# Allegro board RK3588S_Template_LP4XD556P164SD10H2_33X33_2133MHz_H1R6_V10_20220315YWQ.brd (continued)
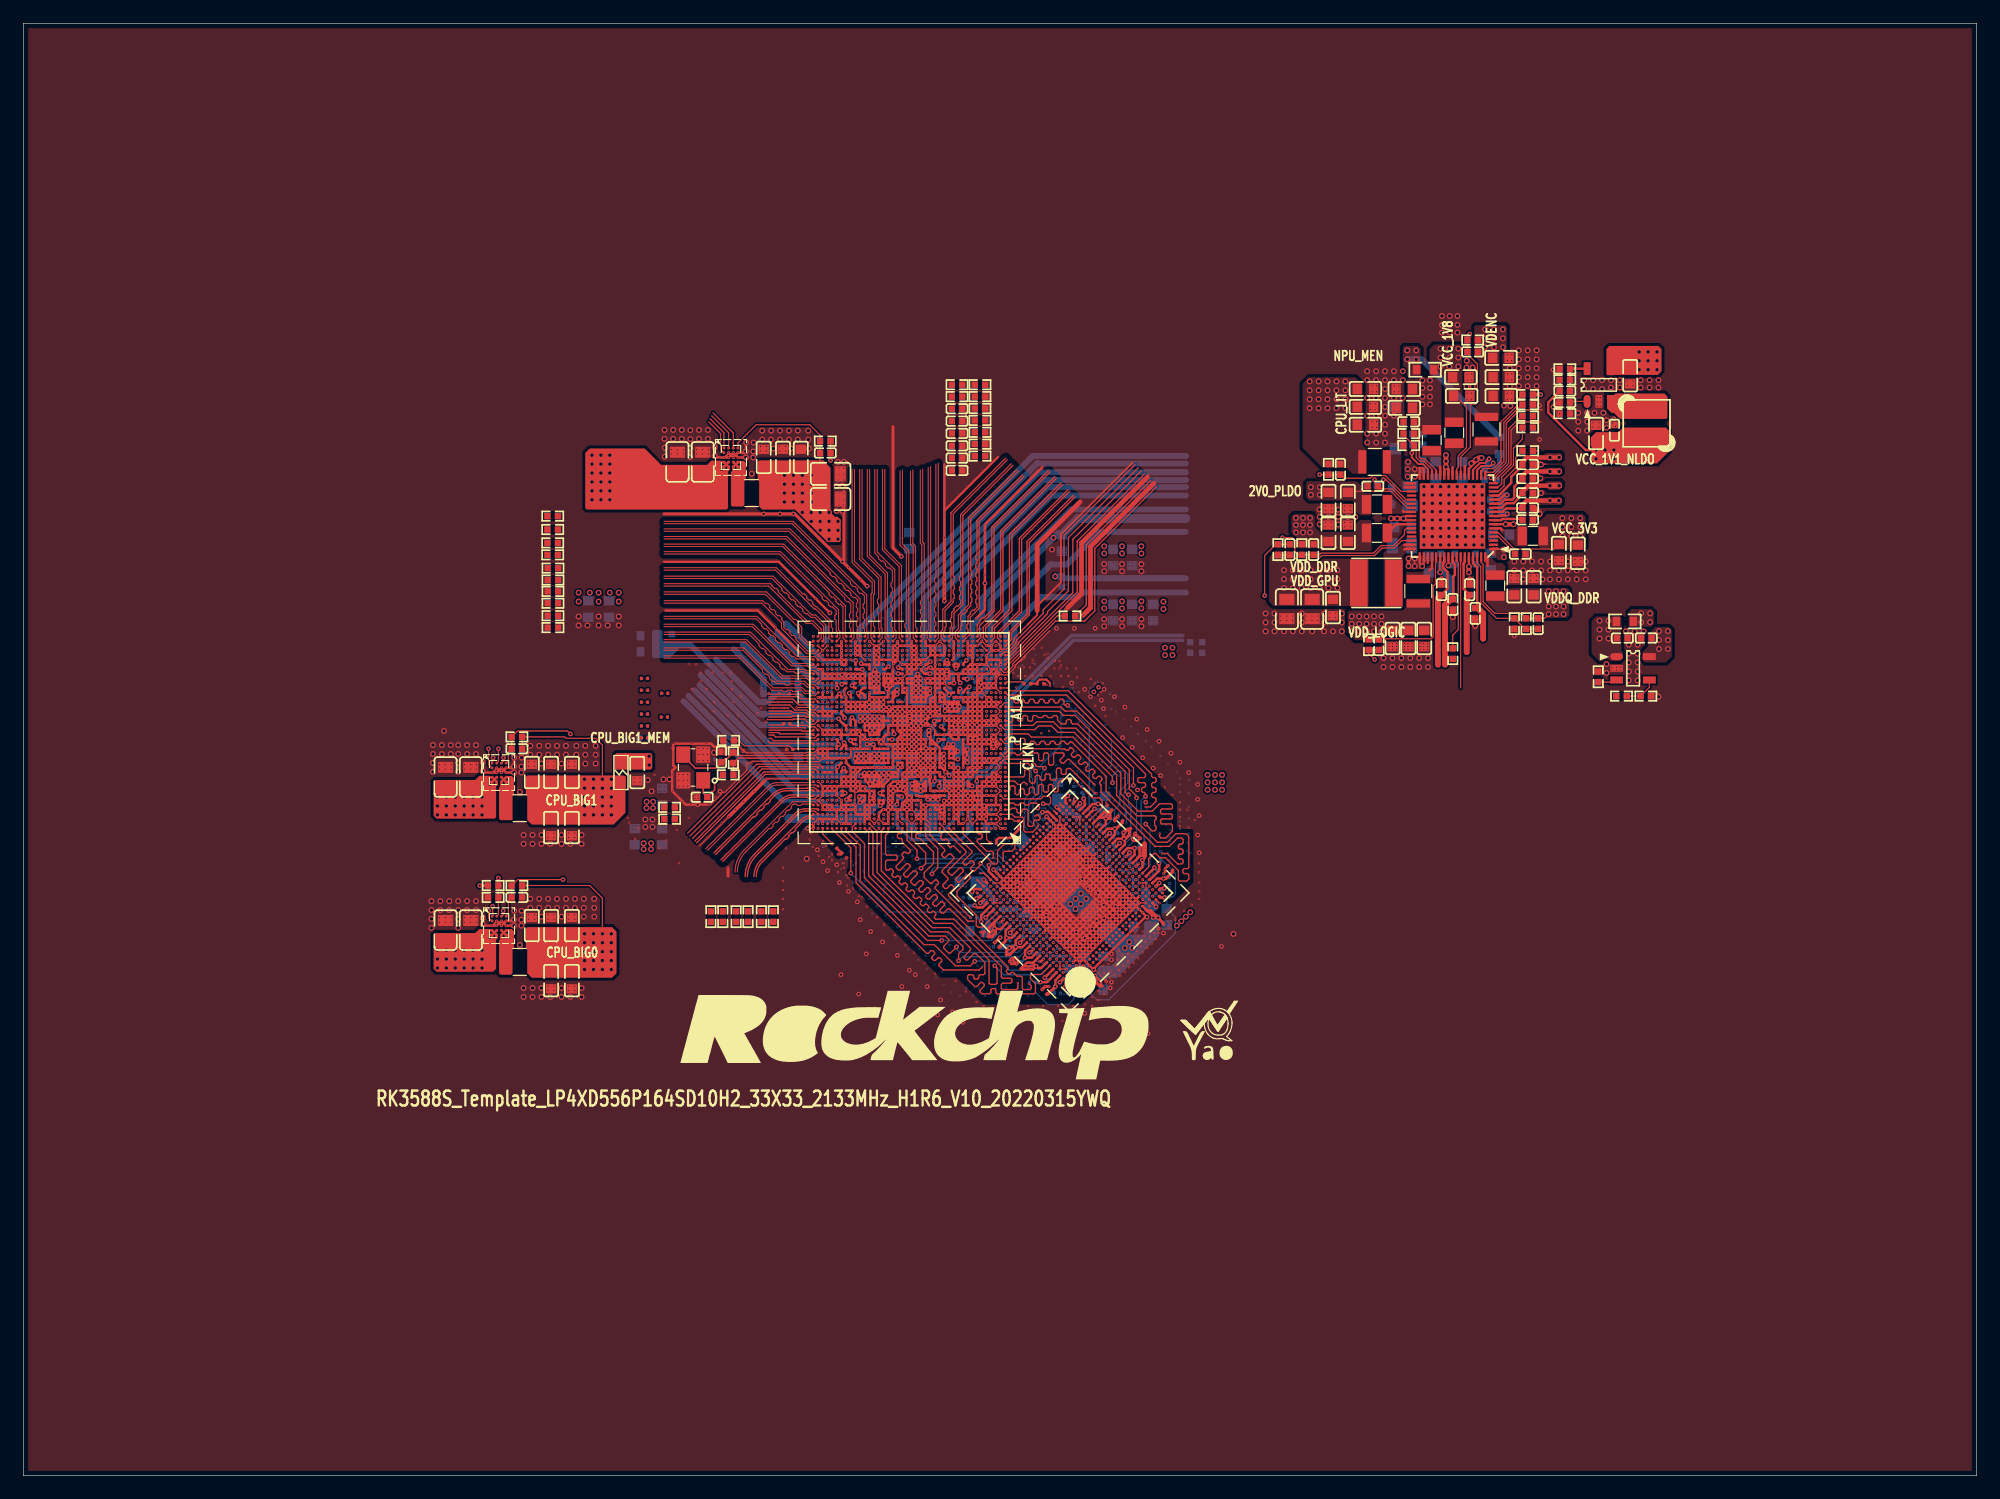
[diagram p0: board, top side]
## Routing (per net, layer and track width the routed paths; a pad name or vN(x,y) marks a point on that pad's centre or on a via; arc(x,y) is an arc through that point) (continued)
  L3-S1 w0.079: v8(83.06,56.26) 83.18,56.39 v8(83.69,56.39) 84.07,56.39 84.31,56.15 84.31,55.9 v2(84.45,55.75) ; 81.65,55.14 v7(81.09,55.7)
  L3-S1 w0.102: v2(70.36,66.31) 70.36,66.34 70.08,66.62 70.08,67.02 v1(70.14,67.07) 70.44,67.38 70.44,67.95 v1(70.29,68.1) ; v1(91.11,53.74) v1(90.82,53.46) v1(90.54,53.18) 90.4,53.18 v2(90.17,52.95) ; 85.6,69.93 85.85,69.68 v2(85.85,69.6) 85.97,69.47 v1(86.23,69.47) v1(86.23,69.72) 86.03,69.93 85.6,69.93 ; 85.6,69.93 85.04,69.93 v8(84.84,69.72) v8(84.2,69.72) 84.05,69.72 83.63,69.3 v1(83.49,69.3) ; v2(89.13,60.27) 89.25,60.27 v8(89.41,60.43) ; v1(73.09,69.7) 73.03,69.76 v4(73.03,70.15) ; v8(78.87,52.58) 78.95,52.66 v2(79.19,52.66) ; 71.28,67.4 70.92,67.05 70.92,66.44 70.79,66.31 v2(70.79,65.99) ; v2(81.81,61.39) 81.94,61.52 81.94,61.79 v8(82.04,61.89) 82.02,61.89 ; v8(71.12,72.44) 71.12,72.24 71,72.12 v2(70.95,72.12) 70.95,72.17 70.89,72.23 v8(70.89,72.44) ; v2(80.29,53.63) 80.49,53.44 v8(80.49,53.4) ; v4(90.47,50.98) 90.55,50.9 v1(90.55,50.55) 90.39,50.55 90.24,50.4 v1(90.04,50.4) 89.78,50.14 v2(89.73,50.14) 89.73,49.85 v1(89.53,49.66) 89.53,49.53 88.77,48.77 v2(88.77,48.7) 88.71,48.64 v1(88.39,48.64) v4(88.08,48.64) ; v1(81.89,63.7) v1(81.89,63.3) v1(82.29,62.9) 82.41,62.9 82.78,62.53 ; v8(93.85,55.75) 93.85,56.01 v2(93.98,56.13) ; 82.02,61.89 81.87,61.89 81.64,62.12 v8(81.64,62.27) ; 82.02,61.89 v8(81.64,62.27) ; v2(71.63,53.88) v8(71.63,53.47) ; 83.42,63.59 83.42,63.63 v1(83.49,63.7) 83.63,63.84 83.68,63.84 ; v8(77.72,54.65) 77.6,54.52 v2(77.6,54.37) 77.6,54.23 v8(77.72,54.1) 77.72,54.01 77.74,53.98 77.74,53.46 v2(77.7,53.42) 77.7,53.39 77.87,53.22 v8(77.98,53.22) ; 68.3,55.65 68.29,55.66 68.29,56.1 ; 82.57,69.82 82.58,69.81 82.59,69.81 82.69,69.71 ; 82.57,69.82 v1(82.29,70.1) v1(82.69,70.5) 82.8,70.61 85.22,70.61 ; 82.57,69.82 82.7,69.82 82.69,69.81 82.69,69.71 ; v2(92.38,50.55) 92.82,51 92.82,51.17 v2(92.82,51.17) ; v1(74.69,69.7) 74.69,70.11 v2(74.52,70.28) ; v8(73.28,58.93) 73.15,59.05 73.15,59.44 v8(72.9,59.69) ; v1(81.89,56.1) v1(82.3,55.7) ; 68.29,56.1 v1(68.69,56.1) 68.71,56.08 ; 68.29,56.1 v1(67.89,56.1) 67.86,56.13 67.45,56.13 67.06,55.74 67.06,55.65 65.91,54.51 65.91,54.23 ; 73.41,64.14 73.35,64.08 71.87,64.08 v1(71.49,63.7) ; v8(90.81,60.2) 90.73,60.2 v2(90.56,60.03) 90.4,59.87 v8(90.27,59.87) ; v8(61.42,74.73) v2(61.04,74.73) 60.91,74.85 60.11,74.85 ; v1(75.89,57.7) 76.33,58.13 76.33,58.64 76.33,58.64 76.33,59.54 76.4,59.61 v4(76.4,60.05) ; v1(70.29,69.7) 69.98,69.7 v2(69.93,69.65) 69.89,69.61 v1(69.89,69.3) ; v1(81.89,66.9) v1(82.29,67.3) v1(82.29,67.7) ; v8(79.73,72.9) v8(79.73,72.52) ; v8(79.73,72.9) v8(79.73,73.28) v8(79.73,73.66) 79.68,73.71 ; v8(79.73,72.9) 79.68,72.95 ; v8(79.73,72.52) 79.73,72.24 79.68,72.19 79.68,72.57 ; v8(79.73,72.52) 79.68,72.57 ; 57.06,55.55 v2(57.61,55.55) 58.62,55.55 ; v2(79.18,64.05) 79.29,64.16 v4(79.6,64.16) ; v1(77.89,70.1) 77.89,70.19 v8(77.72,70.36) 77.55,70.18 v2(77.55,70.05) ; v1(77.89,70.1) 77.59,70.1 v2(77.55,70.05) ; v1(77.89,70.1) v1(77.89,69.3) ; v2(77.05,66.56) 77.07,66.58 v8(77.07,67.06) 77.06,67.06 v8(77.06,67.31) 77.06,67.58 v2(77.17,67.69) ; 93.98,60.33 v8(93.98,60.33) 94.08,60.33 95.19,59.22 95.19,58.6 v4(95.18,58.59) 95.59,58.59 95.79,58.39 96.02,58.39 96.22,58.18 v8(96.22,56.56) ; v1(91.67,53.18) v1(91.39,52.9) ; v1(63.58,66.09) 63.47,66.09 60.95,68.6 v1(60.43,68.6) ; 83.21,67.97 83.21,67.72 v2(83.18,67.69) ; 83.21,67.97 83.09,68.09 ; 83.21,67.97 83.21,68.19 83.29,68.27 ; 83.21,67.97 83.48,67.69 v2(83.18,67.69) ; 79.68,72.95 79.68,72.57 ; 79.68,72.95 79.68,73.71 ; v1(87.71,46.96) 87.98,46.96 v1(88.01,46.99) 88.14,47.12 v1(88.26,47.12) ; v2(82.76,58.95) 82.65,58.95 v1(82.29,59.3) ; v2(82.76,58.95) 83.04,58.95 v1(83.09,58.9) ; v2(82.76,58.95) 82.4,59.3 v1(82.29,59.3) ; v1(86.01,69.06) v1(85.47,69.06) v1(85.03,69.06) 84.93,69.06 84.81,68.93 84.42,68.93 v8(84.33,68.83) 84.07,68.83 83.66,68.42 83.44,68.42 83.29,68.27 ; 82.69,69.71 v1(82.69,69.7) ; 83.29,68.27 83.26,68.27 v1(83.09,68.1) 83.09,68.09 ; 76.47,47.97 76.29,47.97 v8(76.16,48.1) v8(75.83,48.43) 75.83,48.9 75.92,48.99 v8(75.92,49.19) v8(75.4,49.71) 75.4,50.17 74.98,50.6 v2(74.98,50.8) ; 76.47,47.97 76.47,47.82 76.07,47.42 v8(76.07,47.24) 76.07,46.99 v8(76.58,46.48) v8(76.96,46.1) v8(77.22,45.85) ; 76.47,47.97 v2(76.81,47.97) ; v2(85.95,58.5) 85.95,58.78 v8(85.98,58.8) ; 57.36,64.6 59.89,64.6 ; v2(81.28,52.4) 81.22,52.46 v8(80.98,52.46) 80.78,52.46 v8(80.77,52.45) 80.48,52.45 v2(80.43,52.41) ; 72.65,65.39 72.6,65.39 v2(72.58,65.41) 72.57,65.41 72.52,65.35 72.46,65.5 ; v2(74.04,62.23) 73.88,62.07 72.62,62.07 72.57,62.02 ; v2(87.73,58.32) 87.55,58.14 v8(87.48,58.14) ; v8(81.64,62.27) 81.9,62.53 82.78,62.53 ; v1(81.89,57.7) 82.1,57.49 v4(82.1,57.22) 82.1,57.09 v1(82.69,56.5) 82.93,56.26 v8(83.06,56.26) 83.06,55.73 v1(83.09,55.7) ; 85.14,63.84 v8(85.09,63.79) 85.04,63.84 ; 85.14,63.84 85.04,63.84 ; 85.14,63.84 86.49,63.84 v8(86.53,63.88) v8(87.38,63.88) v8(88.39,63.88) v8(89.15,63.88) v8(90.04,63.88) v10(90.68,63.88) 91.39,63.88 v8(91.43,63.84) 91.43,63.8 92.77,62.47 v8(92.84,62.47) 92.84,62.47 93.1,62.47 v8(93.1,62.47) 93.1,62.47 93.68,63.05 93.91,63.05 v4(93.91,63.05) ; 74.65,57.84 74.9,57.58 75.01,57.58 ; 84.2,55.47 83.59,55.47 83.49,55.37 v1(83.49,55.3) ; 84.2,55.47 84.55,55.47 84.87,55.15 84.87,55.05 v2(84.96,54.96) ; 84.2,55.47 v6(84.2,55.5) 84.32,55.62 84.32,55.63 v2(84.45,55.75) ; v2(77.55,70.05) 77.53,70.05 77.18,69.7 v7(76.69,69.7) ; 82.78,62.53 v4(82.86,62.53) 82.86,62.43 ; v8(84.07,61.8) v8(83.69,61.8) ; v8(83.31,59.18) 83.09,58.96 v1(83.09,58.9) ; v2(97.84,51.69) 97.84,51.52 v8(97.95,51.41) ; v1(71.89,69.7) v1(71.49,70.1) ; v1(99.82,48.77) 99.69,48.77 v1(99.19,48.26) v1(98.42,47.5) 97.92,46.99 v1(97.92,46.74) ; 81.66,59.69 82.05,59.3 v1(82.29,59.3) ; v1(81.09,61.7) 80.41,61.7 80.24,61.87 v8(80.24,62.12) ; v8(93.71,56.5) 93.98,56.24 v2(93.98,56.13) ; v1(59.67,55.7) 58.9,54.94 57.22,54.94 v8(57.15,54.86) ; v1(83.09,58.9) 83.11,58.88 83.14,58.88 ; v1(83.09,58.9) 83.11,58.9 ; v1(92.15,49.53) 91.88,49.81 v4(91.82,49.81) ; v2(78.98,50.42) 79.04,50.42 v8(79.25,50.21) ; v1(72.69,60.5) 72.68,60.48 ; 79.2,60.42 79,60.42 78.95,60.47 78.89,60.47 78.87,60.49 78.57,60.49 78.55,60.47 78.33,60.47 78.28,60.52 v8(78.11,60.34) ; v8(79.65,48.64) 79.76,48.75 v8(79.76,48.89) ; v8(75.82,72.77) 75.95,72.64 v2(75.95,72.44) ; v8(93.98,58.17) 93.98,57.91 v2(94.11,57.78) v8(94.11,57.4) v8(94.36,57.15) 94.61,56.9 v2(94.61,56.86) ; v8(89.62,61.5) 89.52,61.4 v2(89.52,61.21) 89.52,61.08 v8(89.38,60.93) ; v8(84.96,59.69) 85.13,59.86 v2(85.13,59.95) ; v1(77.49,64.1) 77.97,64.1 78.49,64.62 v8(78.49,64.74) ; 79.68,73.71 79.68,74.05 79.64,74.09 ; v1(82.29,67.7) v1(81.89,68.1) 81.87,68.08 v4(81.87,67.36) ; v1(82.29,67.7) 82.3,67.69 v1(82.69,67.69) 83.04,67.69 ; v8(78.05,72.82) 78.05,73.1 v8(78.1,73.15) ; v8(79.92,54.2) 79.79,54.2 v2(79.65,54.34) ; v1(91.82,66.67) 91.75,66.61 91.22,66.61 v4(91.17,66.55) ; 85.04,63.84 84.51,63.84 ; v8(78.74,74.42) 78.69,74.47 v4(78.69,74.73) ; v4(74.66,70.9) 74.66,70.41 v2(74.52,70.28) ; 72.45,60.88 v2(72.45,60.76) ; v8(86.33,63.27) v8(85.85,63.27) v8(85.45,63.27) 85.38,63.19 85.09,63.19 85.01,63.12 v8(84.76,63.12) 84.53,63.12 v2(84.43,63.02) 84.4,62.99 v8(84.07,62.99) ; 83.75,63.84 84.4,63.84 ; 83.75,63.84 v8(83.69,63.79) ; 83.75,63.84 83.68,63.84 ; 84.4,63.84 v8(84.45,63.79) 84.51,63.84 ; 84.4,63.84 84.51,63.84 ; 65.91,54.23 66.55,54.86 ; 65.91,54.23 65.79,54.23 v1(65.15,53.59) ; 65.91,54.23 65.91,53.98 ; 83.66,63.82 83.39,63.55 83.51,63.68 83.68,63.84 ; 83.04,67.69 83.04,68.04 83.09,68.09 ; 83.04,67.69 v2(83.18,67.69) ; v2(93.98,56.13) v8(94.23,55.88) ; v1(80.69,56.1) v1(80.29,55.7) 80.26,55.67 v2(80.26,55.37) 80.26,55.07 v8(80.23,55.04) ; v8(69.8,55.37) v2(69.8,54.16) 69.88,54.23 v8(69.88,54.48) ; 59.22,73.96 v2(61.04,73.96) v8(61.42,73.96) 62.63,73.96 67.31,69.28 67.31,69.22 v2(67.51,69.01) ; 57.36,67.64 60.27,67.64 ; v8(77.98,45.8) 77.98,45.85 78.23,46.1 v8(78.28,46.1) 78.28,46.1 78.38,46.2 78.57,46.2 v2(78.58,46.21) v2(78.96,45.83) ; v4(87.42,56.3) v1(87.71,56.01) ; 57.36,65.3 59.64,65.3 ; v2(74.52,70.28) 74.29,70.05 v1(74.29,69.7) ; v2(60.08,53.01) 60.08,51.34 ; v7(70.69,68.5) 70.76,68.56 70.83,68.56 v2(70.89,68.5) ; v8(86.87,57.78) 86.65,57.57 v2(86.65,57.54) ; v2(91.13,56.64) 90.93,56.44 v8(90.93,56.39) 91.06,56.26 v8(91.06,56.01) ; 55.91,62.99 59.47,62.99 59.55,62.92 59.64,62.92 59.64,62.73 59.96,62.41 60.65,62.41 61.23,61.82 v1(61.47,61.82) ; v8(67.18,59.31) 67.34,59.31 v2(67.51,59.49) ; v1(55.43,59.87) 55.3,59.74 ; v2(72.21,71.6) 72.21,71.86 v8(72.26,71.91) ; v1(85.45,48.09) v1(85.73,48.37) ; v8(92.71,64.39) 92.75,64.35 92.75,64.22 92.76,64.21 v2(92.76,64.07) ; 57.36,66.94 60.02,66.94 ; v8(90.55,61.39) 90.32,61.39 v2(90.25,61.47) ; v8(80.49,65.09) 80.23,65.35 80.18,65.35 80.16,65.32 ; v1(86.01,47.52) v1(86.3,47.8) ; v8(85.69,66.29) 85.47,66.29 v2(85.39,66.22) ; 83.23,63.3 83.23,63.3 v1(83.09,63.3) ; 71.27,60.8 v2(71.24,60.77) ; 57.66,54.48 v8(57.91,54.48) ; v8(82.84,66.26) 82.52,66.26 v1(82.29,66.5) v1(82.69,66.5) 82.69,66.41 v8(82.84,66.26)
  L3-S1 w0.127: v1(82.29,69.3) 82.56,69.3 82.69,69.43 82.69,69.7 v1(82.69,69.7) ; v1(83.08,64.92) 83.02,64.86 v2(82.78,64.86) ; v2(95.35,50.63) v1(95.91,50.63) ; v2(88.56,43.84) v1(88.56,43.28)
  L3-S1 w0.152: v8(62.25,63.57) 60.5,65.33 v8(60.4,65.33) 60.38,65.3 59.64,65.3 ; 82.86,55.7 v1(83.09,55.7) v1(83.49,55.3) ; 82.86,55.7 82.82,55.74 82.79,55.74 ; 82.86,55.7 82.8,55.7 v2(82.79,55.69) ; v8(87.94,41.37) 87.94,41.24 v2(87.77,41.07) ; v8(94.61,61.21) v8(94.23,60.83) 93.98,60.58 v8(93.98,60.33) ; v2(81.39,51.35) 81.34,51.4 81.27,51.4 v8(81.1,51.56) ; v8(84.45,54.48) v8(84.71,54.74) 84.89,54.91 84.91,54.91 v2(84.96,54.96) ; v4(96.52,60.45) 96.52,60.35 v8(96.19,60.02) 95.75,59.59 v8(95.75,59.57) ; v8(83.31,41.53) 83.33,41.54 v8(83.33,41.96) 83.32,41.97 v8(83.32,42.62) ; v8(83.97,42.16) v8(83.97,42.67) 83.97,43.03 v8(83.95,43.05) ; 80.69,71.1 v1(80.69,71.3) 80.56,71.43 ; 80.69,71.1 80.56,71.23 80.56,71.43 ; 80.69,71.1 v2(80.85,70.94) ; v1(89.69,43.84) 89.9,43.84 v2(90.02,43.96) ; v8(95.91,51.69) 95.76,51.54 v2(95.55,51.54) ; v2(97.59,53.47) 97.59,53.25 v8(97.66,53.18) ; 80.56,71.43 v8(80.56,71.63) v8(80.56,72.26) v8(80.56,72.95) ; v1(56.85,69.31) 57.06,69.31 ; v2(82.55,48.06) 82.62,48.13 v8(82.93,48.13) ; 57.36,68.6 v1(57.86,68.6) v1(58.93,68.6) v1(59.77,68.6) v1(60.43,68.6) ; v1(85.73,48.37) v1(86.01,48.65) 86.01,48.79 v2(86.24,49.02) ; v2(90.26,55.72) v1(90.26,56.29) ; 60.02,66.94 v8(60.4,66.94) 60.92,66.94 v1(61.28,66.59) v1(62.74,65.13) v1(63.45,64.41) ; 59.89,64.6 v8(60.35,64.6) 60.47,64.6 v8(61.67,63.4) ; v8(65.23,65.33) v1(64.97,65.58) v1(64.47,66.09) v1(63.7,66.85) 61.25,69.31 v8(61.16,69.31) 59.95,69.31 v8(59.94,69.31) v1(58.55,69.31) v2(58.17,69.31) v1(57.48,69.31) 57.36,69.31 ; v8(96.01,58.8) 96.01,58.91 v8(96.46,59.37) ; 83.74,72.19 83.17,71.61 83.17,71.55 v2(83.39,71.55) ; v1(87.71,46.96) 87.57,46.96 v2(87.44,46.83) ; v8(89.92,42.06) 89.92,42.37 v2(89.94,42.4) 90.17,42.62 v8(90.17,42.65) ; v8(93.72,62.17) 93.72,62.16 v8(93.32,61.76) ; v1(63.58,66.09) v8(64.47,65.2) ; v1(64.11,61.04) 59.51,56.44 v8(59.51,56.38) 58.68,55.55 v2(57.61,55.55) ; v8(97.92,54.74) 97.86,54.74 v2(97.59,54.48) ; v1(67.49,71.7) v8(67.31,71.88) v8(66.75,72.44) 66.62,72.44 v8(65.99,73.08) v8(65.1,73.96) v8(64.59,74.47) v8(63.2,75.87) 61.74,77.33 ; v2(92.82,51.17) 92.8,51.19 v1(92.8,51.48) ; 57.78,53.57 v1(57.78,53.85) 57.86,53.77 57.99,53.77 ; v8(93.87,61.39) 93.87,61.4 v8(94.28,61.81) 94.32,61.81 v4(94.74,62.23) ; 57.1,56.31 v2(58.37,56.31) 58.62,56.31 v1(63.35,61.04) ; v2(95.23,49.17) 95.35,49.29 v1(95.35,49.5) ; v1(87.71,46.39) v2(88.01,46.39) ; v1(82.9,48.94) v2(83.47,48.94) ; 60.27,67.64 v8(60.78,67.64) 60.93,67.64 v8(63.89,64.69) ; v2(92.41,51.8) 92.24,51.62 v1(92.24,51.48) ; v8(96.54,49) v2(96.8,49.25) ; v8(94.82,60.5) 94.82,60.51 v8(95.14,60.82) 95.63,61.31 v4(95.63,61.34) ; v2(79.67,72.19) 79.68,72.19 ; v2(95.63,53.8) v8(95.63,53.47) ; v1(58.42,54.48) v8(57.91,54.48) ; v8(95.1,59.85) v8(95.48,60.23) ; v8(87.7,43.78) 87.69,43.78 v2(87.69,43.48)
  L3-S1 w0.203: v2(72.21,71.6) 72.21,71.38 v1(72.29,71.3) ; 79.43,62.02 79.41,62.02 v8(79.28,61.89) 79.04,61.89 78.84,62.1 ; v1(68.29,65.7) 68.03,65.7 v2(67.89,65.84) ; v1(89.53,45.72) 89.3,45.48 v2(89.3,45.46) ; v8(69.44,71.12) 69.44,71.27 v2(69.29,71.42) ; v4(68.91,73.71) v8(68.58,74.04) 63.32,79.3 ; v8(83.41,47.5) v2(83.19,47.27) 83.2,47.29 v1(83.49,47.29) ; 63.82,79.8 v8(64.65,78.98) v8(66.24,77.39) v8(67.51,76.12) v8(69.55,74.08) v8(69.8,73.83) ; v2(85.85,69.6) 85.97,69.72 v1(86.23,69.72) ; v8(81.92,71.71) v2(81.92,72.01) 81.92,72.24 v8(81.99,72.31) ; v2(67.08,65.84) 67.21,65.71 v8(67.39,65.71) v8(67.59,65.71) 67.77,65.71 v2(67.89,65.84) ; v2(67.08,65.84) 67.16,65.91 v8(67.39,65.91) v8(67.59,65.91) 67.82,65.91 v2(67.89,65.84) ; v2(67.08,65.84) v2(67.89,65.84) ; v1(78.29,71.3) 78.29,71.54 v8(78.31,71.55) v8(78.31,71.93) 78.31,72.23 78.09,72.45 v2(78.09,72.51) 78.05,72.54 v8(78.05,72.82) ; v8(80.72,73.96) 80.56,73.8 v8(80.56,72.95) ; v1(93.47,49.66) v2(93.73,49.92) ; v8(81.99,72.31) v8(82.5,72.82) ; v8(81.99,72.31) 83.39,73.71 v8(83.39,73.93) ; v8(80.01,62.36) 80,62.35 79.89,62.35 ; v8(66.62,62.79) v2(67.01,62.79) v2(67.51,62.79) 67.79,62.79 v8(67.82,62.81) ; v2(88.37,56.53) 88.37,56.53 88.56,56.35 v1(88.56,56.29) ; v2(66.88,57.96) v2(67.39,57.96) v2(67.89,57.96) 68.15,57.96 v1(68.29,58.1) ; v1(91.39,52.9) v1(91.11,52.61) v4(90.81,52.32) ; v1(67.49,71.7) 67.64,71.55 v2(67.64,71.42) ; v8(67.26,67.61) 67.31,67.56 v2(67.56,67.56) 67.78,67.56 v1(67.89,67.68) ; v8(70.05,59.89) 69.88,60.07 v2(69.72,60.07) 69.47,60.07 v8(69.43,60.11) ; v2(74.69,71.68) 74.69,71.99 v8(74.63,72.06) ; v1(67.89,59.3) 67.71,59.49 v2(67.51,59.49) 67.07,59.49 v1(67.06,59.48) ; 64.35,80.33 v8(65.75,78.93) v8(67.33,77.34) v8(68.41,76.26) v8(69.87,74.8) 69.87,74.77 70.05,74.59 v8(70.05,74.47) ; 79.64,89.01 79.64,74.09 ; v1(77.09,70.9) v1(77.09,71.3) v2(77.09,71.63) 77.09,71.83 v8(76.99,71.93) ; v2(82.66,50.82) 82.66,50.82 82.84,50.63 v1(82.9,50.63) ; v8(69.93,75.87) v8(69.67,76.12) v8(67.64,78.16) v8(65.99,79.81) 64.91,80.89 ; v2(67.51,69.01) 67.65,68.88 v1(67.89,68.88) v1(68.29,68.88) ; v8(75.89,71.53) v1(75.89,71.3) ; v8(73.48,72.44) v2(73.48,72.09) v2(73.48,71.68) 73.48,71.31 v1(73.49,71.3) ; v1(86.3,47.8) v1(86.58,48.09) v4(86.87,48.38) ; v8(70.05,76.76) v8(70.31,76.5)
  L3-S1 w0.254: v1(74.68,56.09) 74.68,56.37 v2(74.7,56.39) ; v8(80.72,73.96) 80.85,74.09 v8(80.85,79.17) v8(80.85,82.22) v2(80.85,88.44) 80.85,89.84 ; v8(69.42,72.31) 69.31,72.31 62.82,78.8 ; v4(97.16,59.81) v4(96.52,60.45) v4(95.63,61.34) v4(94.74,62.23) v4(93.91,63.05) ; 62.43,78.4 69.29,71.54 v2(69.29,71.42) ; v2(82.76,60.06) 82.8,60.1 v1(83.09,60.1) ; v2(68.66,54.1) 68.5,54.26 68.5,55.11 v7(69.09,55.7) ; v8(69.8,55.37) 69.85,55.42
  L3-S1 w0.305: v1(73.89,63.3) 73.89,63.71 v2(73.94,63.75)
  L3-S1 w0.406: v8(85.55,80.06) v8(85.55,82.6) v8(85.55,84.38) v8(85.55,88.7) ; 83.74,72.19 84.28,72.19 87.45,75.36 v8(87.45,82.47) 87.45,89.08 82.43,94.1 ; v8(83.39,75.74) v8(83.39,73.93)
  L5-POWER2 w0.064: v4(73.51,65.66) 73.38,65.78 v2(73.08,65.78) 73.05,65.81 v2(72.64,65.81) ; v4(72.26,65.66) 72.52,65.41 v2(72.58,65.41) 72.6,65.38 v2(73.15,65.38) 73.58,65.38 v2(73.71,65.25)
  L5-POWER2 w0.076: v4(81.33,62.99) 81.17,62.83 80.98,62.83 80.91,62.91 v4(80.91,63.01)
  L5-POWER2 w0.102: v2(80.9,62.48) 80.42,62.48 v2(80.4,62.5) ; v2(80.4,62.5) 80.9,63.01 v4(80.91,63.01) ; v2(80.4,62.5) 80.09,62.5 79.99,62.6 79.94,62.6 79.66,62.88 79.36,62.88 v2(79.27,62.97)
  L5-POWER2 w0.203: 76.89,62.74 76.88,62.74 76.49,62.74 76.49,62.74 ; 76.89,62.74 76.89,62.19 76.91,62.18 ; 76.89,62.74 v2(76.94,62.79) ; v2(71.2,66.14) 70.94,66.14 v2(70.79,65.99) 70.79,66.11 70.59,66.31 v2(70.36,66.31) ; v2(74.7,62.08) 74.7,62.2 74.67,62.23 v2(74.04,62.23) ; v2(76.1,59.64) 75.69,59.64 v2(75.67,59.62) ; v2(74.43,64.63) 74.43,64.62 v2(74.03,64.62) ; v2(71.24,60.77) 71.64,60.77 v2(71.64,60.76) 72,60.76 72.03,60.73 v2(72.05,60.73) 72.05,60.74 72.06,60.76 72.45,60.76 v2(72.45,60.76) v2(72.85,60.76) v2(73.25,60.76) v2(73.69,60.76) ; v2(75.54,60.07) 75.49,60.12 v2(75.49,60.5) ; 76.5,63.47 76.71,63.26 v2(76.71,63.2)
  L6-S2 w0.203: v2(75.54,60.07) 75.49,60.12 v2(75.49,60.5)
  L8-S3 w0.064: 72.18,58.36 72.09,58.49 v2(71.88,58.52) ; 94.47,54.53 v6(94.39,54.61) 94.47,54.69 ; 94.47,54.53 94.47,54.34 94.28,54.15 ; 94.47,54.53 94.47,54.69 ; v3(86.84,60.41) 86.93,60.32 86.93,60.06 v2(86.96,60.03) ; v3(88.49,54.53) 88.49,54.66 v2(88.78,54.95) ; v4(90.81,52.32) 91.2,52.7 91.86,52.7 92.71,53.56 ; v2(74.04,62.23) 73.86,62.57 73.87,62.6 73.86,62.62 73.86,62.64 ; v4(84.92,50.48) 84.92,50.21 85.14,49.99 85.14,49.45 v6(85.09,49.4) ; v6(82.49,60.2) 82.62,60.2 v2(82.76,60.06) ; v2(82.55,48.06) 82.68,47.93 v3(82.68,47.75) ; 88.54,42.95 88.13,42.95 86.86,41.67 v3(85.85,41.67) v3(84.96,41.67) v3(83.95,41.67) v3(83.06,41.67) v3(81.66,41.67) v3(80.52,41.67) 79.86,41.67 v3(78.48,43.05) v3(77.85,43.68) v3(77.08,44.44) v3(76.51,45.02) v3(72.25,49.28) 72.16,49.28 71.75,49.68 ; 88.54,42.95 v3(88.65,43.05) 88.75,42.95 ; 88.54,42.95 88.75,42.95 ; 81.55,50.95 81.55,51.19 v2(81.39,51.35) ; 81.55,50.95 81.28,51.22 81.28,51.46 ; 81.55,50.95 82.08,50.42 v6(82.17,50.42) v6(82.46,50.42) 82.74,50.13 82.74,49.86 v6(82.46,49.58) 82.46,49.06 82.32,48.92 v4(81.76,48.92) 81.76,49.49 81.51,49.74 v6(81.51,49.79) 81.51,50.06 v6(80.9,50.67) 80.72,50.67 80.72,50.85 v3(80.52,51.05) ; v6(76.07,57.91) 76.3,58.14 76.3,59.38 76.33,59.41 v2(76.1,59.64) ; v3(96.9,49.56) 97.14,49.8 97.14,50.54 v4(97.05,50.63) 97.05,51.12 97.36,51.44 97.5,51.44 ; v3(76.33,50.11) 76.33,50 76.47,49.86 ; v3(76.33,50.11) 76.2,50.24 v3(76.2,50.42) ; v3(76.33,50.11) 76.33,50.22 76.47,50.37 ; v3(83.06,64.14) 82.86,64.34 82.8,64.34 82.8,64.39 v3(83.06,64.64) 82.84,64.86 ; 80.43,52.77 80.43,52.9 v3(80.52,52.98) 80.63,53.1 80.76,53.1 ; 80.43,52.77 80.76,53.1 ; 80.43,52.77 v2(80.43,52.41) ; 88.43,57.45 88.86,57.02 88.86,56.65 89.06,56.45 89.33,56.45 89.53,56.65 ; v2(88.78,54.95) 88.74,54.99 v6(88.39,54.99) ; v2(88.78,54.95) 88.78,54.37 v4(88.84,54.31) ; v2(88.78,54.95) 88.95,55.12 v6(89.03,55.12) ; v6(95.02,54.03) 94.98,53.99 94.86,53.99 ; 83.74,44.75 82.55,44.75 82.04,45.25 v6(82.04,45.47) 82.04,45.53 80.73,46.84 v3(80.73,47.34) 79.13,48.94 v3(79.13,49.28) 77.86,50.55 v3(77.6,50.55) ; 83.74,44.75 83.9,44.75 ; 83.74,44.75 v6(83.82,44.83) 83.9,44.75 ; v2(73.91,49.56) 73.76,49.56 73.54,49.78 ; v2(69.04,63.32) 68.86,63.32 v3(68.58,63.04) ; v2(69.04,63.32) 69.16,63.32 v3(69.34,63.14) ; v2(69.04,63.32) 69.04,63.14 v3(69.21,62.97) ; v3(91.44,58.55) 91.69,58.55 v2(91.82,58.67) 91.69,58.8 v3(91.44,58.8) ; 70.89,50.54 v3(70.89,50.67) 70.82,50.75 v2(70.82,50.97) 70.79,50.94 70.49,50.94 ; 70.89,50.54 70.49,50.94 ; 70.89,50.54 71.38,50.05 ; 73.57,54.39 73.75,54.39 ; 73.57,54.39 v3(73.66,54.48) 73.75,54.39 ; 73.57,54.39 73.42,54.39 73.15,54.12 v3(73.15,54.1) 73.15,53.98 v3(73.02,53.85) v3(72.78,53.61) 72.71,53.54 72.05,53.54 71.9,53.68 v3(71.9,53.69) 71.78,53.69 71.63,53.85 v2(71.63,53.88) ; 73.75,54.39 74.2,54.39 ; 88.75,42.95 89.3,42.95 v6(89.53,43.18) 89.79,43.18 v6(89.95,43.02) 89.95,42.65 89.94,42.63 v2(89.94,42.4) ; 75.06,52.96 74.97,53.05 73.57,53.05 v3(73.51,53.11) 73.43,53.03 v3(71.37,53.03) 71.37,53.09 70.99,53.47 70.74,53.47 ; v6(83.95,50.04) 83.95,50.08 v2(84.24,50.38) 84.53,50.67 v3(84.53,50.67) ; 94.47,54.69 94.47,55.01 ; v2(87.55,60.05) 87.61,59.99 v3(87.84,59.99) ; v3(87.76,61.85) 87.7,61.85 v2(87.5,61.65) 87.59,61.56 v3(87.79,61.56) ; 80.76,53.1 81.15,53.48 81.15,53.85 80.77,54.23 v3(80.64,54.23) 80.53,54.34 v2(79.65,54.34) ; v4(82.23,56.13) 82.24,56.14 83.05,56.14 83.25,56.34 v6(83.25,56.45) ; v6(81.28,51.74) 81.28,51.46 ; 81.28,51.46 v2(81.39,51.35) ; 76.47,49.86 76.67,49.66 77.47,49.66 v2(77.6,49.53) ; 76.47,49.86 76.47,50.37 ; v3(80.04,46.81) 80.04,46.81 81.22,45.63 v6(81.22,45.53) ; v3(76.2,50.42) 75.91,50.42 75.66,50.67 75.66,51.1 v2(75.84,51.28) 75.95,51.38 75.95,51.44 v3(76.07,51.56) 76.2,51.69 76.2,52.39 76.02,52.57 76.02,52.85 76.07,52.91 76.07,53.34 v3(75.95,53.47) 75.95,54.13 75.69,54.39 74.84,54.39 ; v3(76.2,50.42) v2(76.52,50.42) 76.47,50.37 ; v3(74.93,54.48) 74.84,54.39 ; 74.84,54.39 74.71,54.39 ; v3(89.87,65.53) 89.66,65.53 89.72,65.59 v2(89.72,65.82) ; 77.42,65.58 77.09,65.66 77.17,65.58 ; 85.44,60.24 v6(85.05,60.24) 85.05,60.03 v2(85.13,59.95) 85.16,59.95 85.44,60.24 ; 85.44,60.24 85.65,60.44 v2(86.05,60.44) 86.05,60.2 86.05,60.2 v3(86.05,60.1) ; v2(84.81,57.64) v2(85.65,57.64) 86.55,57.64 86.64,57.56 ; v3(90.02,60.22) 89.88,60.36 v2(89.88,60.49) ; 70.49,53.47 70.74,53.47 ; 70.49,53.47 v3(70.61,53.34) 70.74,53.47 ; 70.49,53.47 v2(69.3,53.47) 69.3,53.32 69.13,53.14 69.13,52.63 70.17,51.59 v2(70.2,51.59) 70.24,51.56 70.24,51.19 70.49,50.94 ; 94.57,53.16 v4(94.5,53.23) ; 94.86,53.99 94.79,53.92 94.77,53.92 94.64,53.79 ; 94.86,53.99 95.01,54.13 ; 83.9,44.75 84.84,44.75 85.01,44.91 ; 75.31,64.46 75.29,64.48 ; 75.31,64.46 v2(75.31,64.44) ; 75.31,64.46 75.31,64.59 75.29,64.61 ; 75.29,64.48 75.29,64.61 ; 75.29,64.48 75.27,64.5 75.11,64.34 75.11,64.26 v3(75.08,64.24) ; v3(81.71,51.46) 81.6,51.35 v2(81.39,51.35) ; 96.25,50.44 96.25,50.65 ; 96.25,50.44 v3(96.14,50.55) 96.25,50.65 ; 96.25,50.44 96.25,49.89 96.01,49.66 v6(96.01,49.4) v6(96.27,49.15) 96.52,49.15 96.62,49.25 v2(96.8,49.25) ; 96.25,50.65 96.25,51.09 97.54,52.38 v6(97.54,52.58) 97.54,52.96 v3(97.79,53.21) ; v2(71.58,67.51) 71.65,67.44 71.63,67.52 71.53,67.58 71.53,67.61 ; 73.54,49.78 v3(73.53,49.78) 73.53,49.92 73.52,49.92 ; 73.54,49.78 73.69,49.78 ; v3(74.93,64.95) 74.96,64.95 75.29,64.61 ; 77.07,47.88 76.97,47.97 v2(76.81,47.97) 76.91,47.88 77.07,47.88 ; 77.07,47.88 v3(77.09,47.86) ; 77.06,65.68 77.07,65.68 ; v3(90.77,60.24) 90.56,60.03 v2(90.56,60.03) 90.34,60.03 v3(90.27,60.1) ; v3(86.16,45.79) 86.11,45.74 86.04,45.74 ; v3(86.16,45.79) 85.99,45.79 ; v3(86.16,45.79) 86.28,45.91 86.28,46 86.4,46.11 86.2,46.11 v3(86.07,45.98) 85.94,45.85 ; v2(77.17,61.65) 77.26,61.51 77.33,61.5 77.5,61.26 77.49,61.22 v3(77.5,61.21) ; v3(76.1,61.21) 76.08,61.22 75.93,61.09 v2(75.92,60.97) 76.23,60.98 v3(76.33,61.09) ; 71.38,50.05 71.46,50.05 v3(71.48,50.06) 71.6,49.94 v2(71.75,49.94) 71.75,49.68 ; 71.38,50.05 71.75,49.68 ; 68.3,55.65 68.07,55.88 v6(67.98,55.88) 67.73,56.13 67.43,56.13 v6(67.18,55.88) v6(66.93,55.63) 66.72,55.42 66.72,55.32 ; 92.71,53.72 92.71,53.56 ; 92.71,53.72 v3(92.76,53.67) 92.76,53.61 92.71,53.56 ; 92.71,53.72 92.71,54.05 v3(92.76,54.1) 92.71,54.15 92.71,54.25 92.8,54.35 ; v6(95.88,53.98) 95.71,53.8 v2(95.63,53.8) 95.63,53.57 v6(95.53,53.47) ; v3(69.55,63.91) v3(69.72,63.73) 69.93,63.73 v2(70.03,63.63) 70.1,63.7 v3(70.33,63.7) ; v3(93.19,52.91) 93.08,52.79 93.08,52.62 93.01,52.56 v6(92.95,52.56) ; v2(95.88,56.64) 95.95,56.7 95.95,56.89 v3(95.99,56.93) ; 75.13,63.32 75.24,63.43 v3(75.23,63.5) 75.26,63.53 75.26,63.58 75.18,63.65 75.18,63.76 74.98,63.95 v2(74.9,63.95) ; v2(86.65,57.54) 86.33,57.23 86.33,55.88 86.96,55.26 86.96,55.15 87.22,54.89 v2(87.38,54.89) 87.63,54.63 87.63,54.35 88.08,53.9 v3(88.5,53.9) 88.89,53.51 89.21,53.51 89.42,53.72 89.48,53.72 89.6,53.85 v3(89.79,53.85) v6(90.8,53.85) 91.68,53.85 92.12,54.29 92.12,54.48 ; v2(71.88,58.52) 71.75,58.39 71.66,58.39 71.63,58.42 v3(71.6,58.39) ; v2(71.88,58.52) v3(71.48,58.57) ; v3(72.86,65.28) 72.87,65.28 73.11,65.39 v2(73.15,65.38) 73.18,65.35 73.27,65.34 v3(73.41,65.18) ; v6(86.89,55.12) 86.89,55.44 v2(87.09,55.63) ; v4(86.87,48.38) 86.49,47.99 86.49,47.37 85.6,46.48 v6(85.6,46.36) ; v3(91.57,56.52) 91.26,56.52 v2(91.13,56.64) ; v2(81.65,54.77) 81.66,54.75 v3(81.66,54.36) 81.66,54.24 81.66,54.23 81.66,53.21 81.28,52.83 v6(81.28,52.7) v2(81.28,52.4) ; 91.95,59.56 93.15,59.56 93.38,59.33 93.38,58.84 v3(93.3,58.76) v2(93.09,58.55) 93.38,58.26 93.38,57.82 v3(93.22,57.66) 93.87,57.01 93.87,56.25 v2(93.98,56.13) 94.26,56.13 94.47,55.93 94.47,55.17 ; v2(94.11,59.31) 94.11,59.46 v3(93.98,59.59) ; v2(87.77,41.07) 87.76,41.08 87.76,41.34 87.76,41.35 87.76,41.46 87.76,41.46 87.76,41.85 88.05,42.15 v4(88.56,42.15) 88.63,42.07 89.32,42.07 89.6,42.36 v3(89.64,42.36) ; v6(85.12,44.2) 85.12,44.3 85.37,44.55 ; 89.53,56.65 89.62,56.73 89.67,56.73 ; 89.53,56.65 89.57,56.65 v6(89.66,56.74) 89.67,56.73 ; v3(89.15,59.94) 89.15,60.25 v2(89.13,60.27) ; v2(76.71,63.2) 76.67,63.13 76.29,63.02 ; 74.2,54.39 74.71,54.39 ; 74.2,54.39 v3(74.29,54.48) v3(74.55,54.23) 74.71,54.39 ; v2(84.96,54.96) 84.96,55.09 84.45,55.6 v2(84.45,55.75) ; v2(82.8,45.34) 82.66,45.34 v6(82.53,45.47) ; v3(76.5,63.75) 76.5,63.78 76.5,63.47 ; 94.47,55.01 v6(94.39,55.09) 94.47,55.17 ; 94.47,55.01 94.47,55.17 ; v3(88.2,60.13) 88.38,60.32 v2(88.38,60.43) 88.38,60.58 v3(88.26,60.71) ; 75.16,63.75 75.21,63.7 75.44,63.7 v2(75.56,63.58) ; v3(83.06,65.02) 82.9,64.86 82.84,64.86 ; v3(71.1,52.32) 71.09,52.32 v3(70.89,52.12) 70.89,52.32 v3(70.74,52.47) 70.95,52.47 v3(71.1,52.32) ; v3(71.1,52.32) 71.22,52.44 v2(71.42,52.44) 71.77,52.08 v2(71.77,51.94) 71.77,51.64 v3(71.78,51.64) ; v3(76.73,64.36) 76.73,64.39 76.74,64.39 76.73,64.44 v2(76.46,64.65) ; v3(71.12,63.53) 70.99,63.65 v2(70.79,63.65) 70.61,63.83 v3(70.51,63.83) ; v2(77.34,58.55) 77.42,58.47 v3(77.77,58.47) ; v6(83.31,57.15) 83.31,57.28 v6(84.07,58.04) v6(84.35,58.32) 87.43,58.32 87.78,57.97 88.84,57.97 89.06,57.75 89.38,57.75 89.47,57.66 v6(89.49,57.66) 89.71,57.43 v4(90.27,57.43) 90.27,56.87 90.13,56.73 89.67,56.73 ; 87.38,47.62 v4(87.38,47.88) ; v3(85.85,50.23) 85.85,50.13 85.72,50.01 v3(85.72,49.4) v6(85.72,48.01) 85.72,47.88 85.03,47.19 84.71,47.19 84.65,47.13 ; 93.39,53.02 93.44,53.07 93.44,53.21 ; 82.84,64.86 v2(82.78,64.86) ; v6(93.73,53.72) 93.73,53.6 ; v3(72.03,67.82) v2(72.03,67.48) ; v2(72.2,50.96) 72.11,51.05 v3(71.88,51.05) 71.88,50.83 v3(71.91,50.8) 72.05,50.8 v2(72.2,50.96)
  L8-S3 w0.066: 85.89,45.79 85.89,45.8 85.94,45.85 ; 85.89,45.79 85.99,45.79 ; 85.89,45.79 85.83,45.74 ; v6(94.04,52.45) 94.11,52.52 94.31,52.52 94.58,52.79 ; v4(84.3,46.38) 84.3,46.78 84.65,47.13 ; 85.51,44.69 85.37,44.55 ; 85.51,44.69 v4(85.96,44.69) 85.96,44.72 85.8,44.89 85.7,44.89 85.51,44.69 ; v2(88.56,43.84) v3(88.56,43.52) ; 85.83,45.74 85.01,44.91 ; 85.83,45.74 86.04,45.74 ; 92.12,54.48 92.12,54.65 92.36,54.89 v4(92.81,54.89) 92.81,54.36 92.8,54.35 ; 94.64,53.79 94.64,53.77 94.53,53.66 94.53,53.26 v4(94.5,53.23) 94.5,53.2 94.61,53.09 94.61,52.82 94.58,52.79 ; 94.58,52.79 v3(94.58,52.92) 94.58,53.15 94.57,53.16 ; 93.44,53.21 93.44,53.23 93.4,53.27 94.28,54.15 ; 87.38,47.06 87.38,47.62
  L8-S3 w0.076: 93.39,53.02 93.28,52.91 v3(93.19,52.91) 93.19,53.08 v3(93.24,53.12) 93.39,53.27 93.4,53.27 ; v3(93.95,55.82) 93.95,56.1 v2(93.98,56.13) ; v6(95.88,53.98) 95.95,54.04 95.95,54.54 v6(95.88,54.61) ; v3(84.07,49.28) 84.07,49.06 v3(84.12,49.01) 84.46,49.01 84.7,48.77 v6(84.84,48.77) ; v6(95,56.26) v6(94.74,56.52) 94.61,56.64 v2(94.61,56.86) ; v6(94.39,55.09) v6(94.39,54.61) ; v6(90.8,53.85) 90.8,54.11 90.18,54.73 v3(90.18,55.07) ; 82.05,55.95 82.09,55.99 ; v6(82.49,60.2) v6(82.17,60.2) 81.87,59.9 81.87,59.35 ; 81.87,59.35 81.87,59.27 v6(81.91,59.31) 81.87,59.35 ; v6(77.8,54.1) 77.77,54.07
  L8-S3 w0.079: 88.43,57.45 87.57,57.45 87.28,57.74 86.85,57.74 v2(86.65,57.54) 86.64,57.56 ; 84.45,56.52 84.58,56.52 85.47,55.62 85.47,55.39 85.04,54.96 v2(84.96,54.96) ; 84.45,56.52 v2(84.45,55.75) ; 84.45,56.52 v6(84.45,57.28) v2(84.81,57.64)
  L8-S3 w0.102: v6(94.04,52.45) 93.85,52.45 93.57,52.17 v6(93.34,52.17) 93.24,52.17 92.95,52.47 v6(92.95,52.56) ; v6(76.1,65.71) 75.87,65.43 v3(75.85,65.42) 75.88,65.42 76.04,65.53 76.2,65.51 76.43,65.19 v2(76.5,65.18) 76.46,65.17 76.25,64.9 ; v6(81.22,45.53) v2(81.22,44.98) 81.22,44.87 81.33,44.77 81.69,44.77 v6(82.26,44.2) 82.3,44.2 82.31,44.19 85.11,44.19 v6(85.12,44.2) ; 81.87,59.27 81.87,59.06 81.86,59.05 81.86,58.76 81.87,58.75 81.87,58.72 82.04,58.55 82.8,58.55 v6(82.93,58.42) ; 93.96,59.59 93.97,59.59 93.97,59.45 ; 93.96,59.59 v3(93.98,59.59) ; 93.96,59.59 93.1,60.46 92.71,60.46 v3(92.71,60.45) 92.63,60.45 v2(92.42,60.67) v2(91.91,61.18) v2(91.27,61.81) v2(90.7,62.38) 89.97,63.12 v3(89.15,63.12) v6(88.39,63.12) v6(87.63,63.12) v6(86.87,63.12) 86.73,63.26 v6(86.73,63.5) v6(86.73,64.14) v6(86.73,64.9) v6(86.73,65.53) 86.6,65.66 86.6,66.74 v6(86.65,66.79) 86.26,67.18 v6(86.26,67.25) v6(86.26,67.69) 86.26,67.84 86.61,68.19 v6(86.61,68.41) v6(86.27,68.75) 86.46,68.75 87.2,69.49 v2(87.2,69.72) v2(87.2,70.48) 87.46,70.74 ; v6(75.18,57.53) 75.16,57.56 74.98,57.56 74.78,57.76 74.65,57.76 74.55,57.86 v6(74.55,57.91) ; v6(83.31,57.15) v6(83.31,56.77) 83.31,56.52 v6(83.25,56.45) ; 82.05,55.95 81.72,55.95 81.71,55.96 80.97,55.96 80.26,56.67 80.26,56.77 ; v2(68.66,54.1) 68.67,54.1 v2(69.3,53.47) ; 93.97,59.45 v2(94.11,59.31) 94.11,59.16 v6(94.23,59.03) 94.21,59.03 94.11,58.93 v2(94.11,58.72) ; 93.97,59.45 93.97,58.71 94.01,58.67 ; v2(67.21,53.98) 67.35,53.98 68.27,54.89 v3(71.91,54.89) v3(72.14,55.12) ; v3(71.08,68.2) 71,68.2 70.97,68.22 70.97,68.46 70.87,68.56 70.87,68.52 v2(70.89,68.5) 70.89,69.38 70.62,69.65 v2(69.93,69.65) ; 77.47,60.08 v3(77.47,60.07) ; 83.02,64.86 84.07,65.91 ; 84.07,65.91 v6(84.07,64.9) v6(84.07,64.14) v6(84.07,62.87) v6(84.33,62.61) 84.71,62.23 v6(84.84,62.23) ; 84.07,65.91 84.96,66.8 84.96,69.72 85.98,70.74 v6(86.49,70.74) v6(86.87,70.74) 87.46,70.74 ; 94.5,56.98 94.5,57.27 v6(94.49,57.28) 94.49,57.4 v6(94.36,57.53) v2(94.11,57.78) 94.01,57.89 v6(94.01,58.17) ; 94.5,56.98 94.39,57.08 94.39,57.23 94.01,57.62 94.01,58.47 ; 94.5,56.98 v2(94.61,56.86) 95.01,56.47 95.01,54.04 v6(95.02,54.03) ; v2(79.18,64.05) 79.02,64.05 78.5,63.53 v3(78.1,63.53) ; v2(73.08,65.78) 72.83,65.61 72.89,65.52 ; v2(73.08,65.78) 73.05,65.63 73.26,65.35 73.29,65.34 v3(73.41,65.18) ; v2(73.08,65.78) 73.01,65.83 72.94,66.27 72.93,66.39 v3(72.9,66.42) ; v2(73.08,65.78) 72.9,65.84 72.82,66 72.84,66.13 72.85,66.14 ; v3(97.76,56.95) 97.92,56.79 v2(97.92,56.69) ; 72.29,56.08 72.59,56.08 v3(72.64,56.13) ; v4(92.33,67.18) 92.46,67.18 v3(92.84,66.8) v4(99.57,60.07) v3(99.57,59.44) v3(99.57,58.29) v3(99.57,57.15) v3(99.57,56.13) v3(99.57,54.86) 99.57,54.22 v3(99.45,54.1) 99.45,53.39 v3(99.44,53.38) 97.5,51.44 ; v6(93.73,53.72) 93.73,53.98 v4(93.66,54.04) 93.47,54.23 v6(93.47,54.36) 93.01,54.36 v3(92.76,54.1) ; v6(72.77,69.42) 72.77,69.41 72.26,68.9 v6(72.26,68.63) ; v6(87.9,43.69) 87.89,43.69 87.89,43.68 v2(87.69,43.48) v6(87.45,43.23) ; v3(86.07,45.98) 86.07,45.88 v3(86.16,45.79) ; 73.51,64.15 73.41,64.05 72.56,64.05 ; 73.52,49.92 v3(73.52,50.16) 73.52,50.41 v3(73.66,50.55) ; v2(67.39,57.96) 67.55,57.8 v6(67.64,57.8) 67.73,57.8 ; 94.01,58.67 94.01,58.47 ; 94.01,58.67 94.06,58.67 v2(94.11,58.72) ; 94.01,58.47 94.11,58.57 v2(94.11,58.72) ; v2(85.85,69.6) 85.61,69.36 v6(85.61,69.09) v6(85.61,68.58) 85.61,68.42 v6(85.81,68.23) 85.61,68.03 v6(85.61,67.82) v6(85.61,67.42) v6(85.61,67.05) 86,66.66 v6(86,66.55) v6(86,65.79) v6(86,65.02) v6(86,64.39) v6(86,63.75) 86,62.99 86.55,62.45 v6(86.59,62.45) 89.27,62.45 v2(90.25,61.47) 90.93,60.78 90.93,60.58 v3(91.44,60.07) ; v3(97.63,55.59) 97.72,55.5 v2(97.92,55.5) 97.92,55.29 97.95,55.26 97.95,55.22 v3(97.99,55.17) ; v4(91.17,66.55) 91.19,66.55 91.25,66.61 91.75,66.61 v4(92.1,66.25) 92.44,66.25 93.34,65.35 v3(93.34,65.28) v3(93.98,64.64) v3(94.61,64.01) v3(95.25,63.37) v3(95.88,62.74) v3(96.39,62.23) v3(97.16,61.47) v3(97.79,60.83) v3(98.55,60.07) 98.81,59.82 v3(98.81,59.56) v3(98.81,59.05) v3(98.81,58.42) v3(98.81,57.53) v3(98.81,56.9) v3(98.81,55.88) v3(98.81,55.24) v3(98.81,54.48) v3(98.81,53.85) 98.81,53.78 98.2,53.18 97.83,53.18 v3(97.79,53.21) ; v2(71.93,63.95) 72.03,64.05 72.52,64.05 ; v2(93.24,55.93) 93.24,55.86 v6(93.42,55.68) ; v2(73.12,62.42) 73.12,62.29 v6(73.28,62.13) 73.41,62 v2(73.61,62) ; v2(79.35,44.83) 79.32,44.86 v6(79.32,45.13) ; 72.59,65.59 72.58,65.57 v2(72.58,65.41) ; v3(97.92,54.55) 97.84,54.48 v2(97.59,54.48) 97.84,54.23 v3(97.92,54.23) 97.92,54.54 ; v2(81.89,64.15) 81.89,64.18 82.01,64.3 ; v2(85.34,43.58) 85.17,43.4 v6(85.17,43.31) ; v6(95.25,51.44) 95.45,51.44 v2(95.55,51.54) 95.76,51.75 v6(95.76,51.82) ; 87.46,70.74 89.53,70.74 100.33,59.94 v4(100.33,59.05) v4(100.33,57.78) v4(100.33,54.74) 100.33,51.05 98.3,49.02 97.03,49.02 v2(96.8,49.25) ; 76.69,65.45 76.63,65.54 76.51,65.57 76.46,65.65 76.45,65.55 76.28,65.42 v3(76.26,65.42) ; v6(85.39,65.91) v2(85.39,66.22) v6(85.39,66.55) 85.34,66.55 85.11,66.78 ; v6(87.83,65.91) 87.76,65.99 87.76,66.22 v2(87.73,66.25) 87.76,66.27 87.76,66.47 v6(87.83,66.55) ; 93.15,59.56 93.03,59.69 v2(92.86,59.69) v3(92.46,59.69) v2(92,59.69) ; v3(74.93,64.95) 74.97,64.9 74.97,64.76 v2(74.84,64.63) ; v6(85.6,46.36) 85.6,46.36 85.47,46.48 84.94,46.48 v6(84.81,46.35) 84.79,46.38 v4(84.3,46.38) ; 77.09,65.66 77.07,65.68 77.1,65.71 77.1,67.55 77.2,67.65 77.2,68.09 77.22,68.11 ; v4(82.23,56.13) 82.09,55.99 v3(81.36,55.99) 81.04,55.99 80.26,56.77 ; v6(91.69,53.82) 90.83,53.82 v6(90.8,53.85) ; 72.52,64.05 v6(72.54,64.03) 72.56,64.05 ; 72.52,64.05 72.56,64.05 ; v2(77.64,46.51) 77.64,46.52 v3(77.85,46.74) ; v3(72.64,54.23) 72.39,54.23 v2(72.29,54.13) ; v3(71.28,67.45) 70.97,67.15 70.97,66.65 v3(70.82,66.5) ; v4(85.96,44.69) 86.51,44.69 86.7,44.87 86.7,45.26 86.68,45.28 v6(86.68,45.36) 86.74,45.36 87.02,45.64 v6(87.02,45.73) 87.02,45.88 86.77,46.13 86.48,46.13 86.46,46.11 86.4,46.11 ; v6(95.88,54.61) v2(95.88,54.99) ; v2(92.82,51.17) 92.82,51.17 92.93,51.06 93.16,51.06 v6(93.23,50.99) ; v3(84.43,43.66) 84.33,43.56 v2(84.12,43.56) v6(83.82,43.56) ; v6(68.07,54.23) 68.07,55.42 68.3,55.65 ; 66.72,54.95 66.72,55.32 ; 77.77,54.07 77.77,53.75 v3(77.8,53.72) 77.72,53.65 77.72,53.44 v2(77.7,53.42) 77.72,53.39 v3(77.72,53.09) ; v2(73.91,49.56) 73.69,49.78 ; v2(74.84,64.63) 74.88,64.36 74.99,64.28 75.02,64.28 75.11,64.21 75.11,64.21 v3(75.08,64.24) ; v2(74.84,64.63) 74.77,64.48 74.81,64.36 v3(74.88,64.33) ; 80.26,56.77 v2(80.01,57.02) ; v3(80.04,46.81) 80.04,46.92 79.93,47.03 v2(79.93,47.09) 79.93,47.25 v3(79.76,47.43) v6(79.28,47.91) 79.14,48.05 v6(78,48.05) v3(77.53,48.51) v3(77.1,48.95) v2(76.76,48.95) 76.63,48.95 75.11,50.47 v3(75.08,50.47) 75.08,50.5 74.98,50.6 v2(74.98,50.8) v3(74.98,51.18) 74.98,51.41 75.13,51.56 75.13,51.64 75.18,51.69 75.18,51.76 v3(75.24,51.82) 75.39,51.96 v2(75.39,52.15) 75.39,52.25 75.31,52.32 75.31,52.43 v3(75.29,52.45) 75.29,52.73 v3(75.18,52.83) ; v2(78.98,50.42) 78.82,50.58 v3(78.73,50.58) ; v2(92.38,50.55) 92.26,50.67 92.15,50.67 92.07,50.75 v6(92.05,50.75) 92,50.75 91.87,50.88 91.77,50.88 91.77,50.88 v2(91.72,50.88)